# Altium PCB PCB_3U_DDS.PcbDoc (part 3 of 12) (continued)
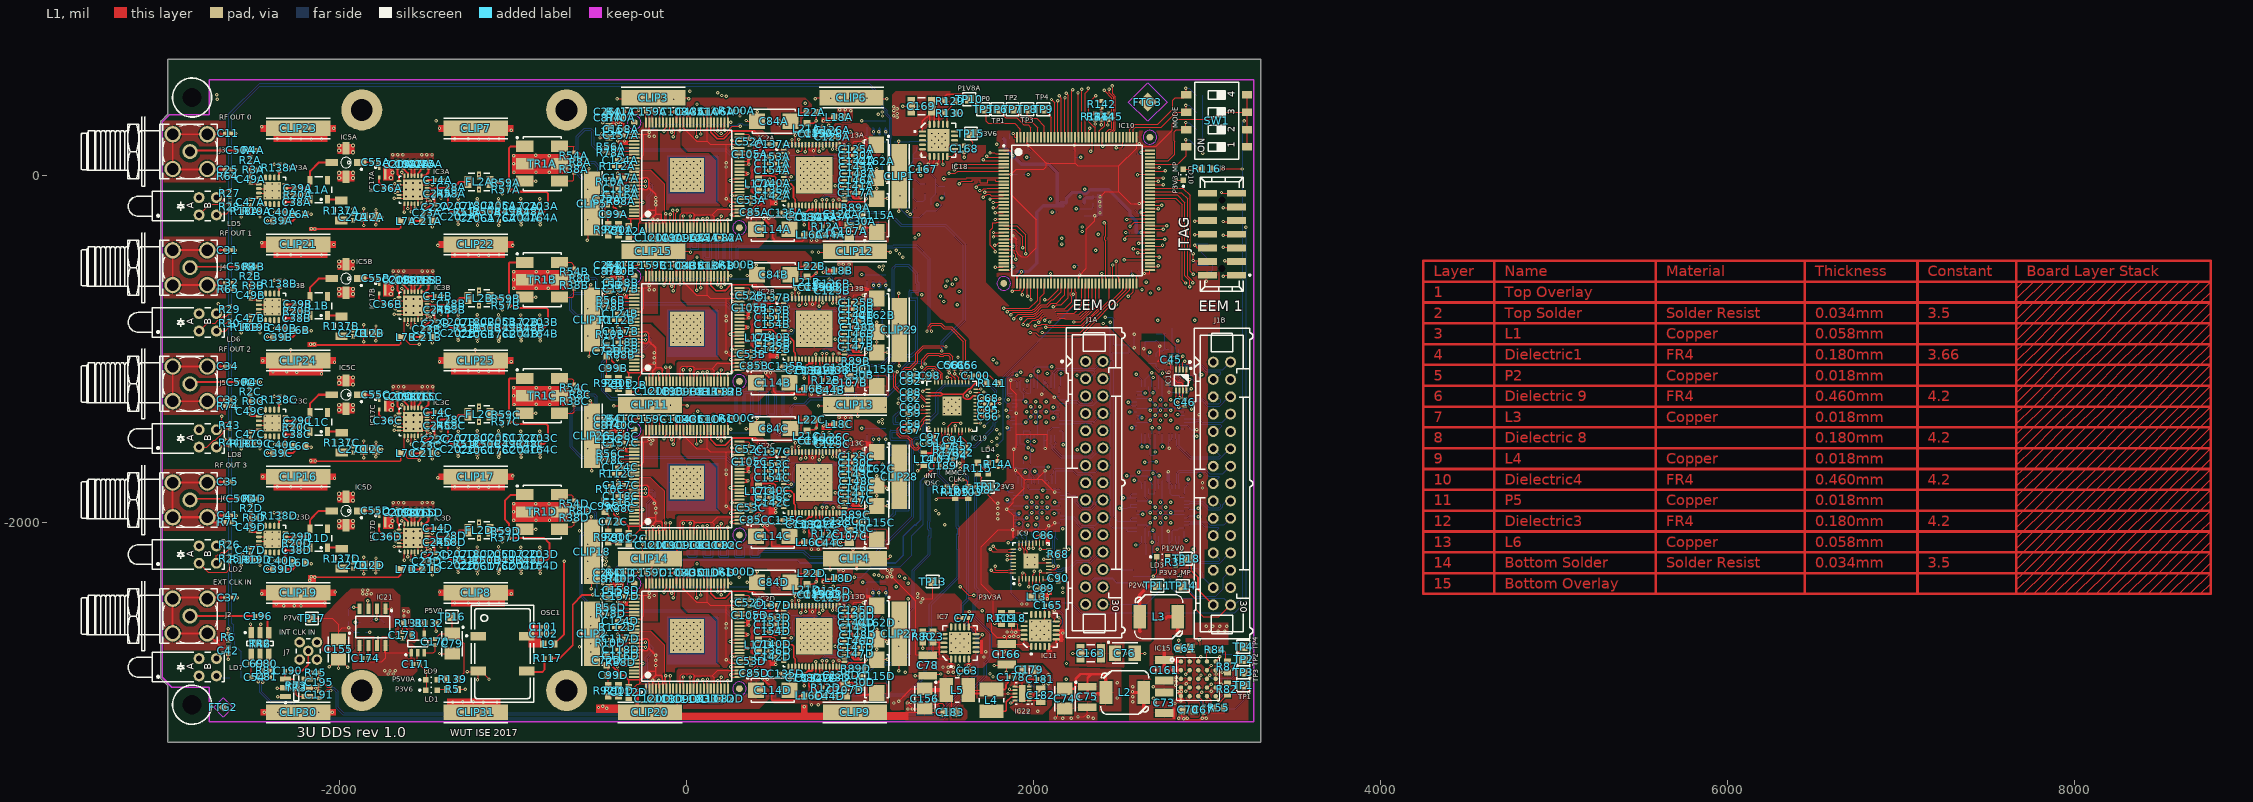
[diagram p0: L1 view]
## Part data (continued)
R5 R80 R115 R116 R119 R130 R143: library part R0603_1K2_1%_0.1W_100PPM, "Resistor - 1%"
R7A R7B R9A R9B R11A R11B R13A R13B R16A R16B R21A R21B R24A R24B R35A R35B: library part R0402_100R_1%_0.1W_100PPM, "Resistor - 1%"
R8A R8B R8C R8D R10A R10B R10C R10D R12A R12B R12C R12D R17 R18A R18B R18C R18D R19A R19B R19C R19D R22 R32 R68 R114: library part R0402_100R_1%_0.0625W_100PPM, "Resistor - 1%"
R15A R15B R15C R15D R112A R112B R112C R112D: library part R0402_10K_0.1%_0.063W_25PPM, "Resistor - 0.1%"
R20A R20B R20C R20D: library part R0402_4K7_1%_0.0625W_100PPM, "Resistor - 1%"
R23 R118 R129: library part R0603_1K5_1%_0.1W_100PPM, "Resistor - 1%"
R25 R26 R27 R28 R29 R30 R43 R44 R53: library part R0402_470R_1%_0.0625W_100PPM, "Resistor - 1%"
R31: library part R0402_1k_1%_0.0625W_100PPM, "Resistor - 1%"
R33 R66 R67 R83 R85 R86 R108 R110 R111: library part R0402_10K_1%_0.0625W_100PPM, "Resistor - 1%"
R34 R37 R40A R40B R40C R40D R41A R41B R41C R41D R42 R60 R61 R62 R63 R69 R70 R71 R72 R76 R77 R95 R101 R102: library part R0402_200R_1%_0.0625W_100PPM, "Resistor - 1%"
R36 R39: library part R0402_1K_1%_0.0625W_100PPM, "Resistor - 1%"
R38A R38B R38C R38D R47 R52 R54A R54B R54C R54D R117 R142 R144 R145 R146: library part R0402_49R9_1%_0.0625W_100PPM, "Resistor - 1%"
R55 R82 R84: library part R0603_24K_1%_0.1W_100PPM, "Resistor - 1%"
R87: library part R0603_1K8_1%_0.1W_100PPM, "Resistor - 1%"
R90A R90B R90C R90D R103 R109 R140A R140B R140C R140D R141: library part R0603_0R_JUMPER, "Resistor"
R92A R92B R92C R92D: library part R0603_2k2_1%_0.1W_100PPM, "Resistor - 1%"
R113A R113B R113C R113D: library part R0603_470R_1%_0.1W_100PPM, "Resistor - 1%"
R120 R121 R122: library part R0603_15K_1%_0.1W_100PPM, "Resistor - 1%"
R131: library part R0603_6K8_1%_0.1W_100PPM, "Resistor - 1%"
R132 R139: library part R0603_2K2_1%_0.1W_100PPM, "Resistor - 1%"
R133: library part R0603_43K_1%_0.1W_100PPM, "Resistor - 1%"
R134: library part R0603_47K_1%_0.1W_100PPM, "Resistor - 1%"
R135: library part R0603_9K1_1%_0.1W_100PPM, "Resistor - 1%"
R136: library part R0603_5K6_1%_0.1W_100PPM, "Resistor - 1%"
R137A R137B R137C R137D: library part "R1206_100R_1%_0.5W_100PPM_VISHAY_CRCW-HP e3", "Resistor - 1%"
SW1: library part SW_OMRON_A6S-4102-H, "4 Ways SPST DIP Switch"
TP1 TP2 TP3 TP4 TP5 TP6 TP7 TP8 TP9 TP10 TP11 TP12 TP13 TP14 TP15 TP16 TP17 TP18: library part SMD_PAD_1.27X1.27MM
TR1A TR1B TR1C TR1D: library part XFMR_MINI-CIRCUITS_ADT1-1WT+, "75 Ohm 0.4 To 800MHz RF Transformers"
TR2 TR3: library part XFMR_MINI-CIRCUITS_TCM2-43X+, "50 OHMS 10 to 4000 MHz RF Transformer"

## Free pads (board coordinates)
  round 236.22 hole 125.98: 0(-692.91,-2970.58) 1(-692.91,375.88) 2(-1874.02,375.88) 3(-1874.02,-2970.58)
  round 50 hole 110: 1(-2852.13,447.21) 2(-2852.13,-3052.79)

## Via types
v1: diameter 19.68, hole 7.87, L1 to L6, tented both sides, 2254 vias
v2: diameter 23.62, hole 11.81, L1 to L6, tented both sides, 88 vias

## Nets (pads, with @x,y where several pads share a name; then routed paths per layer and width w, separated by ;. In a path a pad name is that pad's centre, name@x,y a point inside that pad or via, vN(x,y) a via of type N, cw(c..) or ccw(c..) an arc to the next point about the centre after c; other vN are vias at no path point)
ATT_CLK: IC3A.21 IC3B.21 IC3C.21 IC3D.21 IC10.95 | length 8121.2
  L1 w5: IC10.95@2669.29,-114.28 2797.88,-114.28
  L1 w5.98: v1(-1588.58,-2219.59) IC3D.21@-1588.58,-2172.35 ; v1(-1588.58,-1550.3) IC3C.21@-1588.58,-1503.06 ; v1(-1588.58,-881.01) IC3B.21@-1588.58,-833.76 ; v1(-1588.58,-211.72) IC3A.21@-1588.58,-164.47 ; 2797.88,-114.28 2826.36,-114.28 2869.87,-157.79 2869.87,-579.63 2898.87,-608.63 2898.87,-612.57 2898.04,-613.4 2898.04,-642.95 v1(2898.87,-643.79)
  L3 w5.98: v1(-1588.58,-2219.59) -1588.58,-2196.81 -1543.57,-2151.8 -1530.76,-2151.8 -1518.58,-2139.62 -1518.58,-2083.03 -1527.56,-2074.05 -1527.56,-2069.85 -1518.58,-2060.88 -1518.58,-2043.66 -1588.58,-1973.66 v1(-1588.58,-1550.3) -1588.58,-1527.52 -1543.57,-1482.5 -1530.76,-1482.5 -1518.58,-1470.33 -1518.58,-1467.21 -1515.75,-1464.37 -1515.75,-1377.2 -1530.76,-1362.19 -1548.35,-1362.19 -1588.58,-1321.95 v1(-1588.58,-881.01) -1588.58,-858.23 -1543.57,-813.21 -1530.76,-813.21 -1518.58,-801.04 -1518.58,-705.07 -1530.76,-692.9 -1538.7,-692.9 -1588.58,-643.01 v1(-1588.58,-211.72)
  L4 w5.98: v1(-1588.58,-881.01) -1471.35,-881.01 -1436.13,-845.79 -607.13,-845.79 -586.55,-866.36 -559.7,-866.36 -540.13,-846.79 -387.13,-846.79 -363.33,-870.58 -229.92,-870.58 -128.13,-768.79 128.79,-768.79 208.54,-848.54 208.54,-851.84 213.23,-856.52 216.52,-856.52 220,-860 270,-860 334.53,-924.53 334.53,-962.21 340,-967.69 340,-984.19 388.47,-1032.66 403.25,-1032.66 405.91,-1030 440,-1030 480,-1070 870,-1070 940,-1000 940,-910 990,-860 1030,-860 1070,-820 1270,-820 1284.21,-805.79 1732.87,-805.79 1792.87,-745.79 1856.94,-745.79 1887.36,-776.2 2766.46,-776.2 v1(2898.87,-643.79)
ATT_LE: IC3A.22 IC3B.22 IC3C.22 IC3D.22 IC10.94 | length 7611
  L1 w5: IC10.94@2669.29,-133.96 2793.72,-133.96
  L1 w5.98: IC3D.22@-1568.9,-2172.35 -1568.9,-2195.53 v1(-1564.79,-2199.64) ; IC3C.22@-1568.9,-1503.06 -1568.9,-1526.24 v1(-1564.79,-1530.34) ; IC3B.22@-1568.9,-833.76 -1568.9,-856.95 v1(-1564.79,-861.05) ; IC3A.22@-1568.9,-164.47 -1568.9,-187.66 v1(-1564.79,-191.76) ; 2793.72,-133.96 2817.05,-133.96 2854.87,-171.79 2854.87,-601.79 v1(2874.87,-621.79)
  L3 w5.98: v1(-1564.79,-2199.64) -1561.67,-2199.64 -1500,-2137.96 -1500,-2002.07 -1564.79,-1937.28 v1(-1564.79,-1530.34) -1561.67,-1530.34 -1506.61,-1475.28 -1506.61,-1472.16 -1493.21,-1458.76 -1493.21,-1363.19 -1564.79,-1291.61 v1(-1564.79,-861.05) -1561.67,-861.05 -1503.94,-803.32 -1503.94,-680.93 -1533.74,-680.93 -1564.79,-649.88 v1(-1564.79,-191.76)
  L4 w5.98: v1(-1564.79,-861.05) -1477.39,-861.05 -1445.38,-829.04 -214.38,-829.04 -134.13,-748.79 367.16,-748.79 380.41,-762.03 395.18,-762.03 399.41,-757.8 522.2,-757.8 540,-740 610,-740 637.66,-767.66 697.66,-767.66 713.84,-783.84 759.06,-783.84 760,-784.79 845.54,-784.79 848.42,-787.66 1108.47,-787.66 1120.47,-799.66 1135.25,-799.66 1150.12,-784.79 1194.41,-784.79 1291.98,-784.79 1299.21,-777.56 1451.65,-777.56 1466.87,-792.79 1722.87,-792.79 1775.87,-739.79 1783.34,-739.79 1788.32,-734.8 1861.49,-734.8 1889.86,-763.17 2054.49,-763.17 2077.62,-740.04 2355.62,-740.04 2371.87,-723.79 2775.87,-723.79 2876.37,-623.29 2877.87,-621.79 v1(2874.87,-621.79)
ATT_RSTN: IC3A.20 IC3B.20 IC3C.20 IC3D.20 IC10.96 | length 7957.8
  L1 w5: IC10.96@2669.29,-94.59 2802.03,-94.59 2808.22,-100.79 2850.87,-100.79 2886.87,-136.79 2886.87,-581.79 2915.87,-610.79 v1(2915.87,-620.79)
  L1 w5.98: v1(-1608.27,-2199.91) IC3D.20@-1608.27,-2172.35 ; v1(-1608.27,-1530.61) IC3C.20@-1608.27,-1503.06 ; v1(-1608.27,-861.32) IC3B.20@-1608.27,-833.76 ; v1(-1608.27,-192.03) IC3A.20@-1608.27,-164.47
  L3 w5: v1(-1608.27,-2199.91) -1608.27,-2150.57 -1597.32,-2139.62 -1597.32,-2043.65 -1607.41,-2033.56 -1607.41,-1530.61 -1607.41,-1480.42 -1597.32,-1470.33 -1597.32,-1374.36 -1607.41,-1364.27 -1607.41,-861.32 -1607.41,-811.13 -1597.32,-801.04 -1597.32,-705.07 -1608.27,-694.12 v1(-1608.27,-192.03)
  L4 w5: v1(-1608.27,-861.32) -1608.27,-892.65 -1581.89,-919.02 -1454.43,-919.02 -1450.2,-914.79 -1423.13,-914.79 -1370.13,-861.79 -618.13,-861.79 -598.13,-881.79 -430.13,-881.79 -419.47,-892.44 -216.78,-892.44 -114.08,-789.74 -71.56,-789.74 -71.51,-789.79 -46.6,-789.79 -46.55,-789.74 124.83,-789.74 205.58,-870.49 240.49,-870.49 324.04,-954.04 324.04,-994.04 373.15,-1043.15 438.32,-1043.15 475.65,-1080.49 874.35,-1080.49 950.49,-1004.35 950.49,-919.51 999.51,-870.49 1034.35,-870.49 1034.84,-870 1208.4,-870 1212.33,-873.93 1266.07,-873.93 1315.21,-824.79 1795.87,-824.79 1817.87,-846.79 1929.31,-846.79 1932.31,-843.8 1933.87,-843.8 1986.99,-790.67 2423.15,-790.67 2423.26,-790.79 2799.87,-790.79 2916.22,-674.44 2916.22,-636.6 2915.87,-636.26 v1(2915.87,-620.79)
ATT_S_IN: IC3A.24 IC10.133 | length 4477.7
  L1 w5: v1(2101.86,436.17) 2120.08,417.95 IC10.133@2120.08,218.4
  L1 w11.81: IC3A.24@-1529.53,-164.47 -1529.98,-164.93 -1522.56,-172.36 v1(-1509.85,-172.36)
  L3 w5: v1(-1509.85,-172.36) -1509.85,-47.55 -1445.72,16.58 v1(-1445.72,313.3)
  L4 w5: v1(-1445.72,313.3) -850.27,313.3 -784.14,247.17 -642.14,247.17 -395.14,494.17 -18.06,494.17 10.27,465.85 25.45,465.85 25.78,466.17 123.86,466.17 154.19,435.85 234.45,435.85 236.78,438.17 690.51,438.17 704.77,423.91 746.5,423.91 747.66,425.07 1144.36,425.07 1145.52,423.91 1188.25,423.91 1202.51,438.17 1939.86,438.17 1941.86,436.17 v1(2101.86,436.17)
ATT_S_OUT: IC3D.19 IC10.97 | length 7125.4
  L1 w5.98: v1(-1627.95,-2220.57) IC3D.19@-1627.95,-2172.35 ; IC10.97@2669.29,-74.91 2859.99,-74.91 2901.87,-116.79 2901.87,-444.56 2901.06,-445.37 2901.06,-460.14 2901.06,-484.74 2901.06,-499.51 2901.87,-500.32 2901.87,-552.79 v1(2919.87,-570.79)
  L4 w5.98: v1(-1627.95,-2220.57) -1627.95,-2163.96 -1646.13,-2145.79 -1646.13,-2078.79 -1637.91,-2070.57 -1637.91,-2032.46 -1610.13,-2004.68 -1610.13,-1577.79 -1644.13,-1543.79 -1644.13,-1363.79 -1612.13,-1331.79 -1612.13,-978.79 -1582.14,-948.8 -1444.63,-948.8 -1442.43,-951.01 -1426.35,-951.01 -1355.95,-880.62 -640.3,-880.62 -624.13,-896.79 -432.13,-896.79 -362.26,-966.65 -153.35,-966.65 -130,-990 140,-990 144.78,-985.22 268.21,-985.22 272.99,-990 290,-990 363.88,-1063.88 431.74,-1063.88 437.86,-1070 450.32,-1070 471.31,-1090.98 878.69,-1090.98 960.98,-1008.69 960.98,-929.02 1000,-890 1280,-890 1323.21,-846.79 1787.87,-846.79 1804.87,-863.79 1895.87,-863.79 1916.06,-883.98 1971.56,-883.98 1972.75,-882.79 1973.87,-882.79 1984.87,-871.79 1984.87,-850.79 2029.87,-805.79 2399.41,-805.79 2404.03,-801.17 2418.8,-801.17 2423.43,-805.79 2826.87,-805.79 2938.87,-693.79 2938.87,-591.79 2919.87,-572.79 v1(2919.87,-570.79)
CFG_TCK: IC10.67 J8.6 R67.1 | length 812.7
  L1 w5: v1(2474.41,-497.31) 2474.41,-576.69 2488.8,-591.08 2488.8,-618.82 IC10.67@2494.09,-624.12 ; v1(2928.74,-403.54) 2938.98,-413.78 2938.98,-419.39 J8.6@3000.98,-419.39
  L4 w5: v1(2474.41,-497.31) 2503.14,-468.58 2634.39,-468.58 2681.1,-421.87 2910.41,-421.87 v1(2928.74,-403.54)
  L6 w5: v1(2928.74,-403.54) 2936.93,-395.36 3003.1,-395.36 3004.72,-396.99 R67.1@3004.72,-419.39
CFG_TDI: IC10.63 J8.10 | length 957.2
  L1 w5: v1(2407.09,-275.59) 2415.35,-283.86 2415.35,-349.67 2408.44,-356.58 2408.44,-371.76 2415.29,-378.61 2415.29,-624.05 IC10.63@2415.35,-624.12 ; v1(2928.74,-265.75) 2932.57,-261.91 J8.10@3000.98,-261.91
  L4 w5: v1(2407.09,-275.59) 2684.5,-275.59 2694.35,-265.75 v1(2928.74,-265.75)
CFG_TDO: IC10.122 J8.8 | length 1215
  L1 w5: v1(2328.35,137.8) 2336.61,146.06 IC10.122@2336.61,218.4 ; v1(2928.74,-344.49) 2932.57,-340.65 J8.8@3000.98,-340.65
  L3 w5: v1(2328.35,137.8) 2331.48,134.67 2331.48,-300.08 v1(2372.05,-340.65)
  L4 w5: v1@2372.05,-344.49 2376.7,-349.14 2924.09,-349.14 v1(2928.74,-344.49)
CFG_TMS: IC10.65 J8.4 R66.1 | length 819.5
  L1 w5: IC10.65@2454.72,-624.12 v1(2454.72,-517.82) ; v1(2918.9,-452.76) v1(2918.9,-492.13) 2994.98,-492.13 J8.4@3000.98,-498.13
  L4 w5: v1(2454.72,-517.82) 2647.28,-517.82 2712.34,-452.76 v1(2918.9,-452.76)
  L6 w5: v1(2918.9,-492.13) 2945.77,-519 R66.1@3005.91,-519
CK_MMCX_IN_N: C194.1 C195.1 R45.2 TR3.4 | length 5506
  L1 w6: TR3.4@-2187.8,-2904.63 -2120.29,-2904.63 C195.1@-2118.61,-2902.95 ; R45.2@-2121.26,-2867.23 -2121.26,-2900.29 C195.1@-2118.61,-2902.95 ; v1@-2055.12,-2951.78 -2072.93,-2951.78 -2097.22,-2927.49 -2097.22,-2924.69 -2118.61,-2903.31 C195.1@-2118.61,-2902.95 ; v1(1520.87,-1673.79) 1520.87,-1667.79 1524.87,-1663.79 1527.67,-1663.79 1534.87,-1656.58 C194.1@1534.87,-1636.5
  L6 w6: v1(-2052.17,-2944.94) -2045.32,-2951.78 -2034.4,-2951.78 -2009.65,-2976.53 -2009.65,-3067.22 -1978.35,-3098.53 1442.91,-3098.53 1668.8,-2872.64 1668.8,-2652.41 1582.49,-2566.1 1582.49,-2474.7 1614.17,-2443.02 1614.17,-1744.2 1592.98,-1723 1558.09,-1723 1541.87,-1706.79 1541.87,-1666.79 1534.87,-1659.79 1529.87,-1659.79 1520.87,-1668.79 v1(1520.87,-1673.79)
CK_MMCX_IN_P: C189.1 C191.2 R73.2 TR3.6 | length 5614.5
  L1 w6: R73.2@-2250.39,-2963.29 -2250.39,-2996.45 -2242.21,-3004.63 TR3.6@-2187.8,-3004.63 -2127.51,-3004.63 C191.2@-2118.61,-3013.53 -2113.87,-3013.53 -2096.13,-2995.79 -2096.13,-2987.96 -2071.94,-2963.78 v1@-2055.12,-2963.78 ; C189.1@1498.87,-1672.5 1498.87,-1673.79 1502.03,-1676.94 1502.03,-1673.79 1502.03,-1665.98 1506.87,-1661.14 v1(1506.87,-1645.79)
  L6 w6: v1(-2052.17,-2970.62) -2045.32,-2963.78 -2039.37,-2963.78 -2021.65,-2981.5 -2021.65,-3072.19 -1983.32,-3110.53 1447.88,-3110.53 1677.28,-2881.13 1680.8,-2877.61 1680.8,-2647.44 1594.49,-2561.13 1594.49,-2479.67 1626.17,-2447.99 1626.17,-1739.23 1597.95,-1711 1563.06,-1711 1553.87,-1701.82 1553.87,-1661.82 1539.84,-1647.79 1508.87,-1647.79 v1(1506.87,-1645.79)
CK_SMA_IN_N: C80.1 C81.1 R81.2 TR2.4 | length 133.7
  L1 w6: TR2.4@-2410.62,-2762.5 -2402.55,-2770.57 -2402.55,-2818.01 -2402.55,-2857.38 C81.1@-2402.55,-2892.81
CK_SMA_IN_P: C54.1 C69.2 R46.2 TR2.6 | length 225.8
  L1 w6: C54.1@-2509.84,-2893.8 -2509.84,-2827.46 C69.2@-2519.28,-2818.01 -2510.62,-2809.35 TR2.6@-2510.62,-2762.5 -2505.48,-2757.36 -2505.48,-2706.93 -2486.16,-2706.93 R46.2@-2479.13,-2699.9
CKIN0_N: C194.2 IC19.15 R17.2 R47.1 | length 174.9
  L1 w6: IC19.15@1488.19,-1469.59 1488.19,-1494.24 1484.35,-1498.09 1484.35,-1527.79 1498.54,-1541.98 1498.82,-1541.98 R47.1@1498.82,-1565.06 R17.2@1498.82,-1600.5 1534.3,-1600.5 C194.2@1534.87,-1601.07
CKIN0_P: C103.1 C189.2 IC19.14 R17.1 R47.2 | length 210.6
  L1 w6: C189.2@1457.16,-1671.79 1457.16,-1637.79 1457.16,-1637.43 C103.1@1457.7,-1636.89 ; C103.1@1458.59,-1637.79 1461.81,-1634.57 R17.1@1461.81,-1600.5 R47.2@1461.81,-1565.06 1461.81,-1541.98 1472.35,-1531.45 1472.35,-1498.09 1468.5,-1494.24 IC19.14@1468.5,-1469.59
CKIN1_N: C81.2 IC19.20 R22.2 R52.1 | length 6021.3
  L1 w6: v1@-2450.65,-2928.56 v1(-2444.32,-2922.23) -2437.99,-2915.89 C81.2@-2437.99,-2892.81 ; v1(1576.87,-1690.79) 1576.87,-1685.48 1575.79,-1684.4 1600.49,-1659.7 1600.49,-1636.08 1612.99,-1623.58 R22.2@1612.99,-1600.5 R52.1@1612.99,-1565.06 1612.99,-1538.93 1580.87,-1506.82 1580.87,-1499.98 1586.61,-1494.24 IC19.20@1586.61,-1469.59
  L6 w6: v1(-2444.32,-2922.23) -2450.79,-2928.69 -2450.79,-2977.23 -2397.96,-3030.05 -2280.09,-3030.05 -2276.57,-3033.57 -2182.29,-3127.85 1473.63,-3127.85 1715.55,-2885.93 1715.55,-2809.08 1719.07,-2805.57 1746.97,-2777.66 1746.97,-2644.71 1651.39,-2549.13 1651.39,-2467.57 1673.23,-2445.73 1673.23,-2393.8 1663.39,-2383.96 1659.87,-2380.45 1659.87,-1718.28 1618.86,-1677.27 1589.57,-1677.27 1576.87,-1689.96 v1(1576.87,-1690.79)
CKIN1_P: C54.2 IC19.19 R22.1 R52.2 | length 6028.5
  L1 w6: v1@-2474.4,-2916.87 C54.2@-2474.4,-2893.8 ; IC19.19@1566.93,-1469.59 1566.93,-1494.24 1568.87,-1496.19 1568.87,-1511.79 1575.98,-1518.9 R52.2@1575.98,-1565.06 R22.1@1575.98,-1600.5 1575.98,-1623.58 1588.49,-1636.08 1588.49,-1654.72 1579.72,-1663.49 1576.51,-1660.27 v1(1572.17,-1660.27)
  L6 w6: v1(-2470.65,-2920.58) -2463.16,-2928.07 -2463.16,-2954.45 -2462.79,-2954.83 -2462.79,-2982.2 -2402.93,-3042.05 -2285.06,-3042.05 -2187.26,-3139.85 1478.6,-3139.85 1724.04,-2894.41 1727.55,-2890.9 1727.55,-2814.05 1755.46,-2786.15 1758.97,-2782.63 1758.97,-2639.74 1755.46,-2636.23 1663.39,-2544.16 1663.39,-2472.54 1685.23,-2450.7 1685.23,-2388.83 1671.87,-2375.48 1671.87,-1713.31 1623.83,-1665.27 1577.16,-1665.27 v1(1572.17,-1660.27)
CLK_DIV: IC10.11 IC19.1 IC19.33 | length 1759
  L1 w6: v1(1358.86,-1244.83) 1366.5,-1244.83 1377.95,-1233.37 IC19.1@1389.76,-1233.37 ; IC19.33@1665.35,-1233.37 1694.32,-1233.37 v1(1695.11,-1232.57) ; v1(1668.9,-68.9) 1682.57,-55.22 IC10.11@1826.77,-55.22
  L3 w6: v1(1668.9,-68.9) 1669.76,-69.76 1669.76,-1209.72 1692.61,-1232.57 v1(1695.11,-1232.57)
  L4 w6: v1(1358.86,-1244.83) 1386.1,-1217.58 1677.61,-1217.58 1692.61,-1232.57 v1(1695.11,-1232.57)
DAC_OUTA_N: R8A.1 R38A.1 R78A.2 R91A.2 TR1A.4 | length 1007.9
  L1 w6: TR1A.4@-734.25,-33.69 -657.05,-33.69 -650.6,-27.24 R38A.1@-650.6,16.26 -623.08,16.26 -614.17,25.17 R8A.1@-614.17,55.21 -601.67,67.72 -581.67,67.72 v1(-575.32,61.37) ; v1(-482.13,133.21) -482.13,139.06 -481.13,140.06 -469.69,140.06 R78A.2@-457.48,127.85
  L6 w6: v1(-575.32,61.37) -568.58,68.12 -537.12,68.12 -513,44 -513,12 -533,-8 -606,-8 -627,13 -627,219 -587,259 -558,259 -547,248 -547,169.03 -518.03,140.06 -491.98,140.06 v1@-483.63,131.71 ; v1@-479.77,127.85 R91A.2@-457.48,127.85
DAC_OUTA_P: R8A.2 R54A.1 R56A.2 R79A.2 TR1A.6 | length 1043.5
  L1 w6: TR1A.6@-702.05,166.31 -652.16,166.31 -650.6,164.76 R54A.1@-650.6,131.26 -622.18,131.26 -614.17,123.26 R8A.2@-614.17,92.22 -601.67,79.72 -587.13,79.72 -579.99,86.86 v1@-575.32,86.86 ; v1(-482.13,159.21) -482.13,153.06 -481.13,152.06 -469.69,152.06 R56A.2@-457.48,164.27
  L6 w6: v1@-574.16,86.86 -567.42,80.12 -532.15,80.12 -501,48.97 -501,7.03 -528.03,-20 -610.97,-20 -639,8.03 -639,223.97 -591.97,271 -553.03,271 -535,252.97 -535,174 -513.06,152.06 -491.98,152.06 v1@-483.48,160.56 ; v1@-479.77,164.27 R79A.2@-457.48,164.27
  other v1: -575.32,90.8
DAC_OUTB_N: R8B.1 R38B.1 R78B.2 R91B.2 TR1B.4 | length 920.1
  L1 w6: TR1B.4@-734.25,-702.98 -658.34,-702.98 -651.6,-696.24 -651.6,-653.29 -651.6,-652.74 -650.13,-652.74 -643.66,-652.74 -639.88,-648.96 -620.33,-648.96 -614.17,-642.81 R8B.1@-614.17,-614.08 -601.67,-601.57 -581.67,-601.57 v1(-575.32,-607.92) ; v1(-482.13,-752.79) -482.13,-748.77 -479.13,-745.77 -469.69,-745.77 R78B.2@-457.48,-757.98
  L3 w7: v1(-482.13,-752.79) -480.85,-751.51 v1@-476.4,-751.51
  L6 w6: v1(-575.32,-607.92) -568.58,-601.17 -532.95,-601.17 -528.27,-605.86 -528.27,-660.27 -543,-675 -651.58,-675 -676,-699.42 -676,-777.97 -638.97,-815 -545.03,-815 -541.51,-811.49 -521,-790.97 -521,-765.21 -501.55,-745.77 -489.15,-745.77 v1(-482.13,-752.79) -479.77,-755.14 -479.77,-757.98 R91B.2@-457.48,-757.98
DAC_OUTB_P: R8B.2 R54B.1 R56B.2 R79B.2 TR1B.6 | length 878.9
  L1 w6: TR1B.6@-734.25,-502.98 -665.87,-502.98 -650.6,-518.24 -650.6,-537.74 R54B.1@-650.13,-538.28 -614.17,-574.17 R8B.2@-614.17,-577.07 -601.67,-589.57 -587.13,-589.57 -579.99,-582.43 v1@-575.32,-582.43 ; v1(-482.13,-726.79) -482.13,-730.77 -479.13,-733.77 -469.69,-733.77 R56B.2@-457.48,-721.56
  L6 w6: v1@-575.32,-582.43 -574.16,-582.43 -567.42,-589.17 -527.98,-589.17 -523.53,-593.63 -516.27,-600.89 -516.27,-665.24 -538.03,-687 -646.6,-687 -664,-704.4 -664,-773 -634,-803 -550,-803 -533,-786 -533,-760.24 -506.52,-733.77 -489.11,-733.77 v1(-482.13,-726.79) -479.77,-724.43 -479.77,-721.56 R79B.2@-457.48,-721.56
  other v1: -575.32,-578.49
DAC_OUTC_N: R8C.1 R38C.1 R78C.2 R91C.2 TR1C.4 | length 967.6
  L1 w6: TR1C.4@-734.25,-1372.27 -657.63,-1372.27 -650.13,-1364.76 R38C.1@-650.13,-1323.29 -624.68,-1323.29 -614.17,-1312.79 R8C.1@-614.17,-1283.37 ; R8C.1@-610.64,-1285.49 -602.2,-1271.4 -582.17,-1271.4 v1(-575.32,-1278.24) ; -479.13,-1631.59 -469.69,-1631.59 R78C.2@-457.48,-1643.8
  L6 w6: v1(-575.32,-1278.24) -568.48,-1271.4 -536.14,-1271.4 -528.27,-1279.28 -528.27,-1321.27 -547,-1340 -642.34,-1340 -673,-1370.66 -673,-1569.97 -611.18,-1631.79 -494.13,-1631.79 v1(-487.13,-1638.79) ; v1@-479.77,-1643.8 R91C.2@-457.48,-1643.8
DAC_OUTC_P: R8C.2 R54C.1 R56C.2 R79C.2 TR1C.6 | length 972.4
  L1 w6: TR1C.6@-734.25,-1172.27 -662.58,-1172.27 -653.35,-1181.5 -653.35,-1206.99 -653.06,-1207.28 R54C.1@-650.13,-1207.28 -625.63,-1207.28 -614.17,-1218.74 R8C.2@-614.17,-1246.36 -601.13,-1259.4 -582.17,-1259.4 v1(-575.32,-1252.56) ; v1(-487.13,-1612.79) -480.32,-1619.59 -469.69,-1619.59 R56C.2@-457.48,-1607.39
  L6 w6: v1(-575.32,-1252.56) -568.48,-1259.4 -531.17,-1259.4 -516.27,-1274.31 -516.27,-1326.24 -542.03,-1352 -637.37,-1352 -661,-1375.63 -661,-1565 -606.21,-1619.79 -494.13,-1619.79 v1(-487.13,-1612.79) -485.17,-1612.79 -479.77,-1607.39 R79C.2@-457.48,-1607.39
DAC_OUTD_N: R8D.1 R38D.1 R78D.2 R91D.2 TR1D.4 | length 1017
  L1 w6: TR1D.4@-734.25,-2041.56 -720.93,-2028.24 -663.6,-2028.24 -649.6,-2014.24 -649.6,-1993.74 R38D.1@-648.6,-1992.74 -624.11,-1992.74 -612.6,-1981.24 R8D.1@-612.6,-1952.74 ; R8D.1@-613.43,-1951.92 -601.67,-1940.16 -577.73,-1940.16 v1(-571.39,-1946.5) ; v1(-484.13,-2528.79) -479.32,-2528.79 -479.13,-2528.98 -479.77,-2529.63 R78D.2@-457.48,-2529.63
  L6 w6: v1(-571.39,-1946.5) -564.64,-1939.75 -543.83,-1939.75 -532.02,-1951.57 -532.02,-1961.57 -531.23,-1962.36 -531.23,-1977.96 -532.02,-1978.75 -532.02,-1994.59 -583.39,-2045.96 -614.36,-2076.94 -614.36,-2428.23 -525.81,-2516.79 -496.13,-2516.79 v1(-484.13,-2528.79) ; v1@-479.13,-2529.63 R91D.2@-457.48,-2529.63
DAC_OUTD_P: R8D.2 R54D.1 R56D.2 R79D.2 TR1D.6 | length 1004.4
  L1 w6: TR1D.6@-734.25,-1841.56 -666.28,-1841.56 -653.54,-1854.3 -653.54,-1876.74 R54D.1@-648.6,-1876.74 -628.53,-1876.74 -624.16,-1881.11 -624.16,-1885.79 -614.17,-1895.77 R8D.2@-614.17,-1915.65 ; R8D.2@-612.69,-1915.65 R8D.2@-614.17,-1915.65 ; v1@-571.38,-1921.01 -578.03,-1927.66 -590.57,-1927.66 -591.07,-1928.16 -601.67,-1928.16 -613.35,-1916.48 R8D.2@-614.17,-1915.65 ; v1@-479.13,-2493.21 R56D.2@-457.48,-2493.21
  L6 w6: v1@-571.38,-1921.01 -570.23,-1921.01 -563.48,-1927.75 -538.86,-1927.75 -520.02,-1946.6 -520.02,-1956.6 -519.23,-1957.39 -519.23,-1982.93 -520.02,-1983.72 -520.02,-1999.56 -602.36,-2081.91 -602.36,-2423.26 -520.84,-2504.79 -496.13,-2504.79 v1(-484.13,-2492.79) ; v1@-479.13,-2493.21 R79D.2@-457.48,-2493.21
  other v1: -571.38,-1917.07
DAC_OUTRA_N: IC13A.51 R91A.1 | length 1377.3
  L1 w6: v1@834.6,148.52 835.53,147.59 839.57,147.59 842.13,147.59 842.13,148.52 IC13A.51@842.13,175.2
  L6 w6: R91A.1@-420.47,127.85 -408.26,140.06 221.06,140.06 262,99.12 527.66,99.12 600.68,172.14 839.12,172.14 847,164.27 847,155.95 v1(839.57,148.52)
DAC_OUTRA_P: IC13A.50 R79A.1 | length 1394.7
  L1 w6: IC13A.50@861.81,175.2 861.81,147.84 861.81,147.59 866.2,147.59 v1(866.43,147.84)
  L6 w6: R79A.1@-420.47,164.27 -408.26,152.06 226.03,152.06 266.97,111.12 522.69,111.12 595.71,184.14 844.09,184.14 859,169.24 859,155.27 v1(866.43,147.84)
DAC_OUTRB_N: IC13B.51 R91B.1 | length 1375.9
  L1 w6: v1@834.6,-737.31 835.53,-738.24 v1@839.57,-738.24 ; v1@839.61,-738.24 840.05,-737.79 842.13,-735.72 IC13B.51@842.13,-710.63
  L6 w6: R91B.1@-420.47,-757.98 -408.26,-745.77 221.06,-745.77 262,-786.71 527.66,-786.71 600.68,-713.69 839.12,-713.69 847,-721.56 847,-729.88 v1(839.57,-737.31)
DAC_OUTRB_P: IC13B.50 R79B.1 | length 1382.7
  L1 w6: IC13B.50@861.81,-710.63 861.81,-735.72 864.32,-738.24 866.2,-738.24 v1@866.45,-737.98
  L6 w6: R79B.1@-420.47,-721.56 -408.26,-733.77 226.03,-733.77 266.97,-774.71 522.69,-774.71 595.71,-701.69 844.09,-701.69 859,-716.59 859,-730.55
  other v1: 867.13,-737.98
DAC_OUTRC_N: IC13C.51 R91C.1 | length 1373.8
  L1 w6: v1@838.09,-1623.13 838.83,-1623.87 839.02,-1624.06 839.57,-1624.06 842.13,-1624.06 842.13,-1623.13 IC13C.51@842.13,-1596.46
  L6 w6: R91C.1@-420.47,-1643.8 -408.26,-1631.59 221.06,-1631.59 262,-1672.54 527.66,-1672.54 600.68,-1599.51 839.12,-1599.51 847,-1607.39 847,-1615.7 v1(839.57,-1623.13)
DAC_OUTRC_P: IC13C.50 R79C.1 | length 1394
  L1 w6: v1@861.81,-1628.1 861.81,-1624.06 861.81,-1623.81 IC13C.50@861.81,-1596.46
  L6 w6: R79C.1@-420.47,-1607.39 -408.26,-1619.59 226.03,-1619.59 266.97,-1660.54 522.69,-1660.54 595.71,-1587.51 844.09,-1587.51 859,-1602.42 859,-1616.38 v1(866.43,-1623.81)
DAC_OUTRD_N: IC13D.51 R91D.1 | length 1373.8
  L1 w6: v1@838.09,-2508.96 838.83,-2509.7 839.02,-2509.89 839.57,-2509.89 842.13,-2509.89 842.13,-2508.96 IC13D.51@842.13,-2482.28
  L6 w6: R91D.1@-420.47,-2529.63 -408.26,-2517.42 221.06,-2517.42 262,-2558.36 527.66,-2558.36 600.68,-2485.34 839.12,-2485.34 847,-2493.21 847,-2501.53 v1(839.57,-2508.96)
DAC_OUTRD_P: IC13D.50 R79D.1 | length 1394
  L1 w6: v1@861.81,-2513.93 861.81,-2509.89 861.81,-2509.64 IC13D.50@861.81,-2482.28
  L6 w6: R79D.1@-420.47,-2493.21 -408.26,-2505.42 226.03,-2505.42 266.97,-2546.36 522.69,-2546.36 595.71,-2473.34 844.09,-2473.34 859,-2488.24 859,-2502.21 v1(866.43,-2509.64)
DDR_RESET0: IC13A.59 R142.1 | length 4666.5
  L1 w5.98: v1(682.17,135.01) 684.65,137.49 IC13A.59@684.65,175.2 ; v1(2365,429) 2366.5,427.5 R142.1@2391,427.5
  L3 w5.98: v1(681.86,414.17) 682.17,413.87 v1(682.17,135.01)
  L4 w5.98: v1(681.86,414.17) 684.04,416.35 697.49,416.35 700.42,413.42 750.85,413.42 752.01,414.58 1140.01,414.58 1141.17,413.42 1192.6,413.42 1195.53,416.35 1251.89,416.35 1257.89,410.35 1318.88,410.35 1324.88,416.35 1340.47,416.35 1346.47,410.35 1680,410.35 1682.24,410.35 1682.24,310.35 1708.23,310.35 1708.23,410.35 1708.23,427.68 1734.21,427.68 1734.21,410.35 1734.21,310.35 1760.2,310.35 1760.2,410.35 1760.2,427.68 1786.18,427.68 1786.18,410.35 1786.18,310.35 1812.16,310.35 1812.16,410.35 1812.16,427.68 1838.15,427.68 1838.15,410.35 1838.15,310.35 1864.13,310.35 1864.13,410.35 1864.13,427.68 1890.12,427.68 1890.12,410.35 1890.12,310.35 1916.1,310.35 1916.1,410.35 1916.1,425.68 1942.09,425.68 1942.09,410.35 1942.09,310.35 1968.07,310.35 1968.07,410.35 1968.07,425.68 1994.06,425.68 1994.06,410.35 1994.06,310.35 2020.04,310.35 2020.04,410.35 2020.04,425.68 2046.02,425.68 2046.02,410.35 2046.02,310.35 2072.01,310.35 2072.01,410.35 2085,410.35 2145.65,410.35 2149.47,414.17 2170,414.17 2182.09,414.17 2182.09,314.17 2208.07,314.17 2208.07,414.17 2208.07,464.29 2234.06,464.29 2234.06,414.17 2234.06,314.17 2260.04,314.17 2260.04,414.17 2260.04,457.11 2286.02,457.11 2286.02,414.17 2286.02,314.17 2312.01,314.17 2312.01,414.17 2325,414.17 2350.17,414.17 v1(2365,429)